# Altium PCB DM3370.PcbDoc (part 2 of 9) (continued)
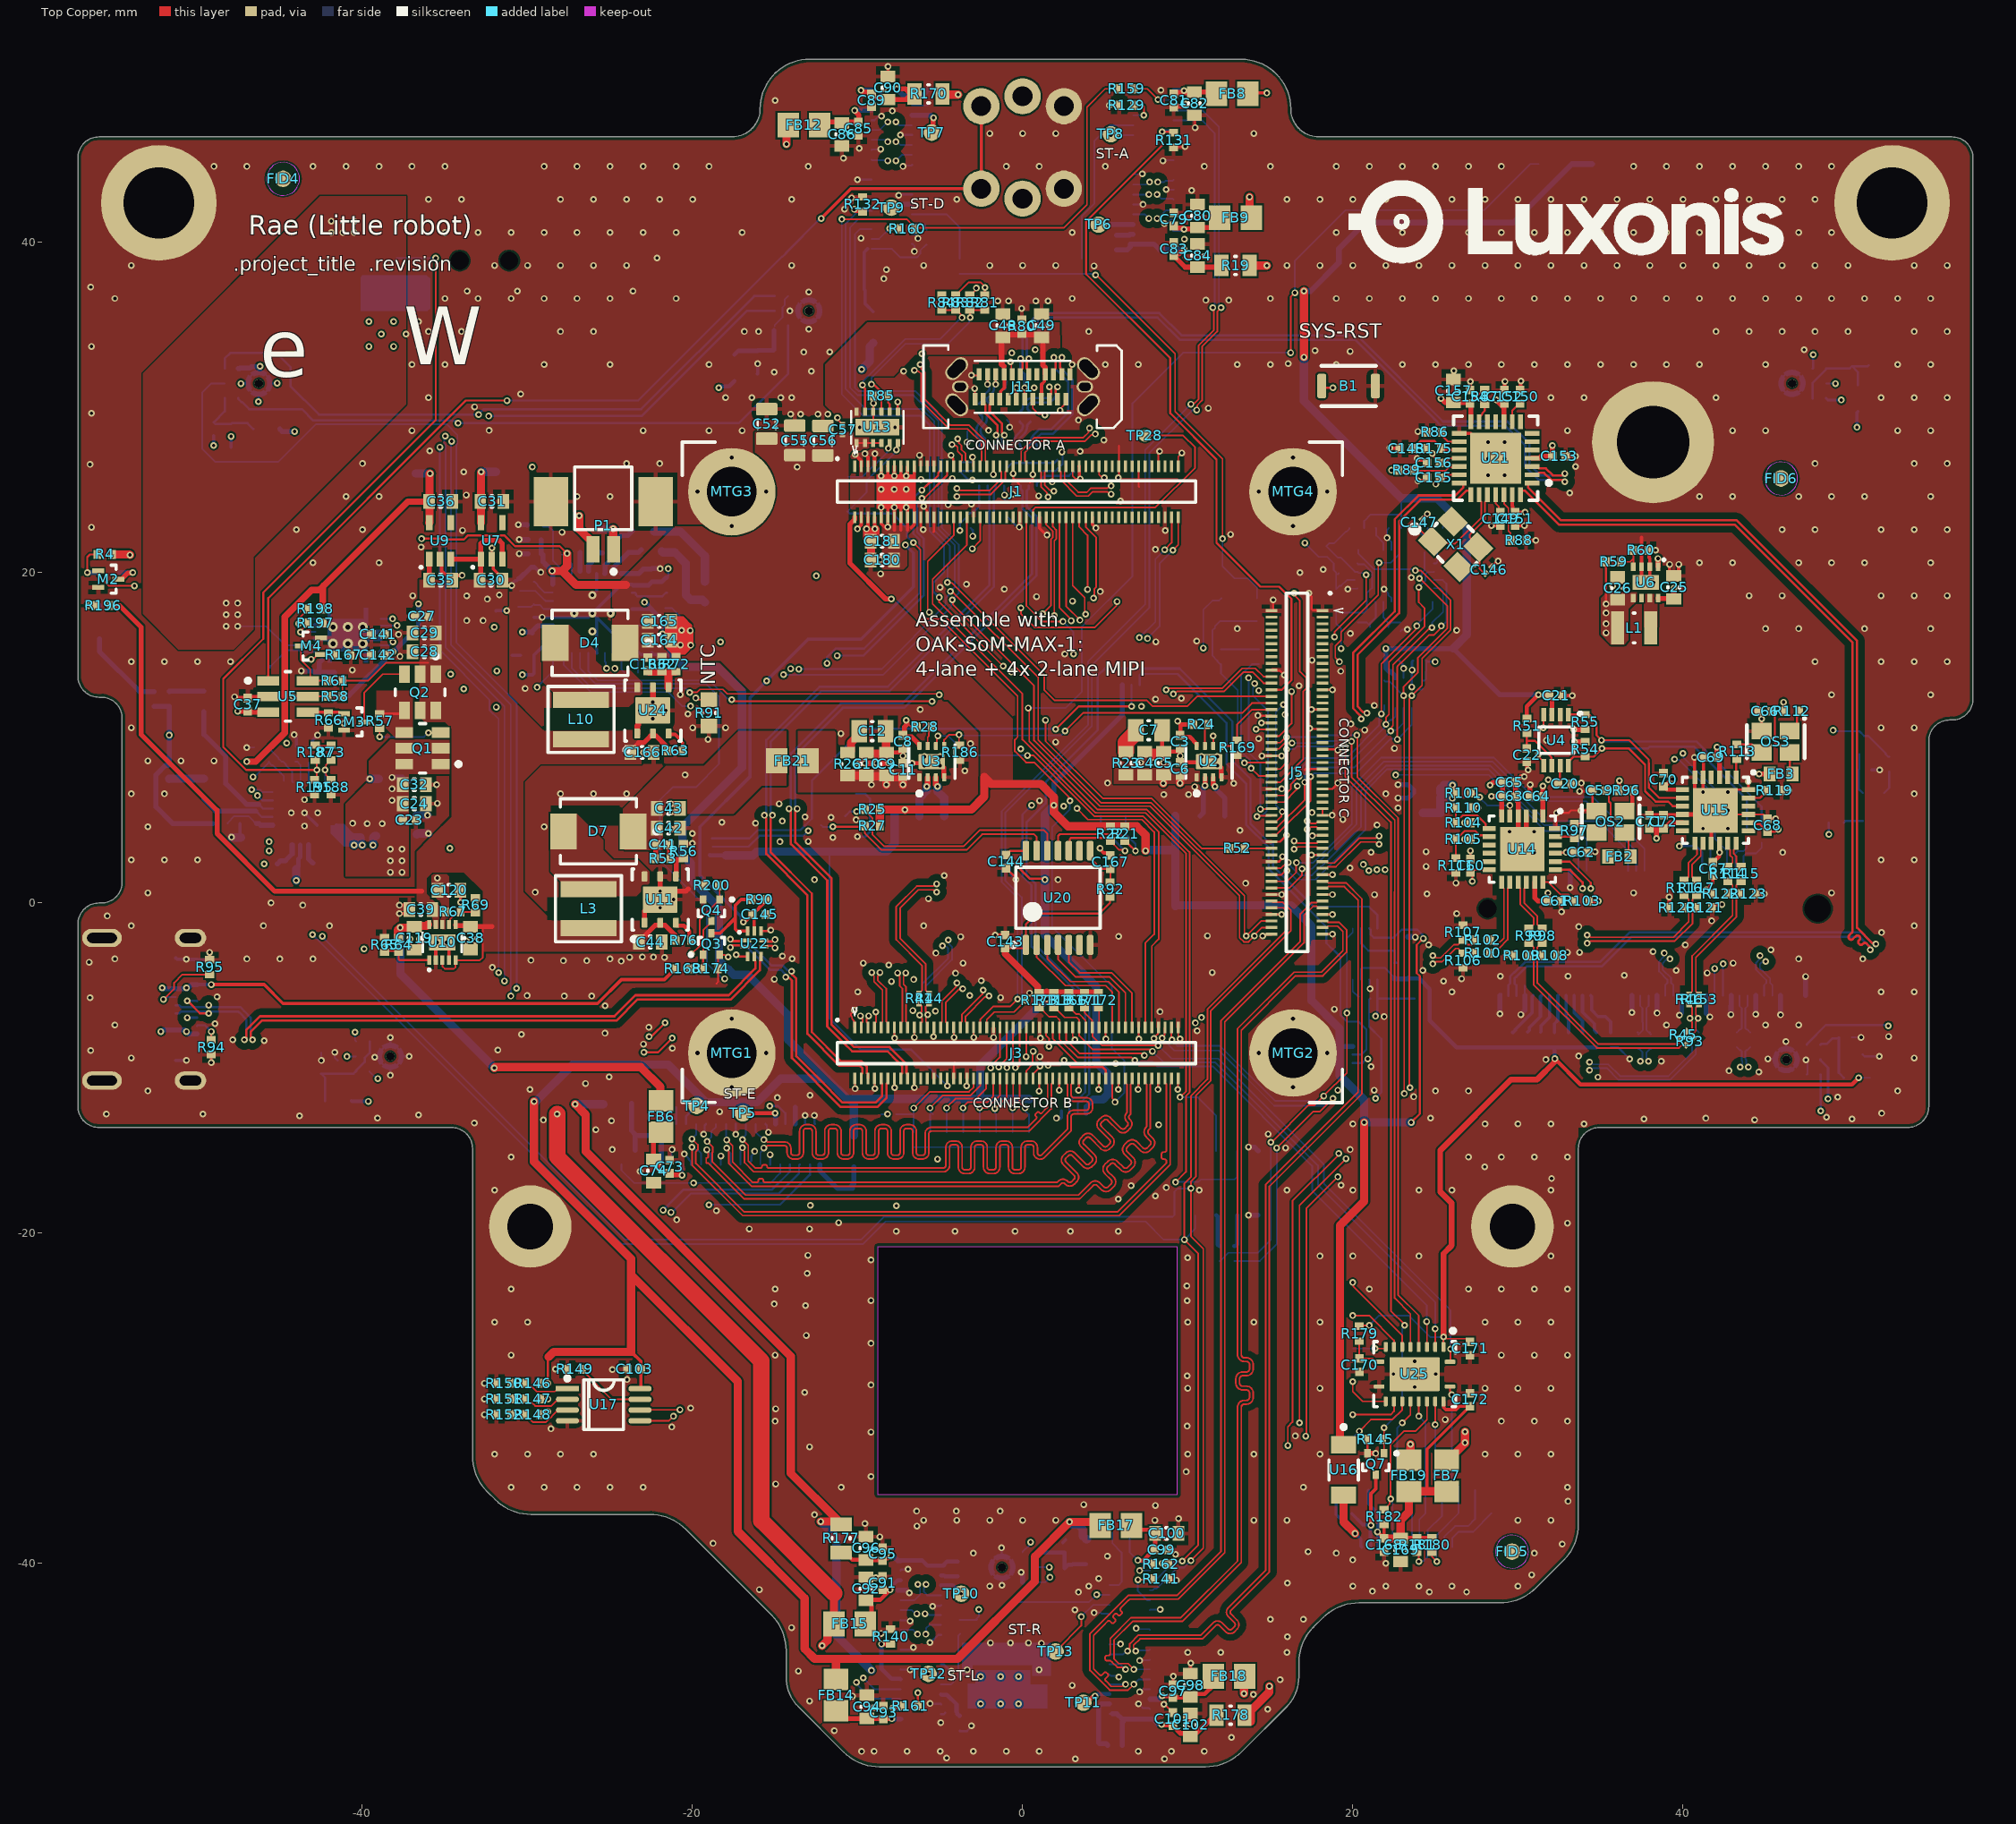
[diagram p0: Top Copper view]
## Footprints (in the part's own frame and the unit in brackets; to place one, negate y for a bottom-side part, rotate by r counter-clockwise, add the part's x,y. Pads: shape width x height; smd on the part's side, far side on the other; paste and mask are expansions set on the pad) (continued)
  Top Copper region: 0.647,-0.221 0.669,-0.252 0.69,-0.283 0.709,-0.315 0.727,-0.348 0.743,-0.382 0.757,-0.417 0.77,-0.452 0.781,-0.488 0.791,-0.524 0.799,-0.561 0.805,-0.598 0.809,-0.635 0.812,-0.673 0.813,-0.71 0.812,-0.747 0.809,-0.785 0.805,-0.822 0.799,-0.859 0.791,-0.896 0.781,-0.932 0.77,-0.968 0.757,-1.003 0.743,-1.038 0.727,-1.072 0.709,-1.105 0.69,-1.137 0.669,-1.168 0.647,-1.199 0.624,-1.228 0.412,-1.016 0.422,-1.002 0.434,-0.983 0.445,-0.965 0.456,-0.946 0.465,-0.926 0.474,-0.906 0.482,-0.886 0.489,-0.865 0.495,-0.844 0.5,-0.823 0.505,-0.801 0.508,-0.78 0.51,-0.758 0.512,-0.736 0.513,-0.714 0.512,-0.693 0.511,-0.671 0.509,-0.649 0.506,-0.628 0.502,-0.606 0.497,-0.585 0.491,-0.564 0.485,-0.543 0.477,-0.522 0.469,-0.502 0.46,-0.482 0.45,-0.463 0.439,-0.444 0.427,-0.426 0.412,-0.404 0.624,-0.192
  Top Copper region: 0.037,0.102 0.075,0.099 0.112,0.095 0.149,0.089 0.186,0.081 0.222,0.071 0.258,0.06 0.293,0.047 0.328,0.033 0.362,0.017 0.395,-0.001 0.427,-0.02 0.458,-0.041 0.489,-0.063 0.518,-0.086 0.306,-0.298 0.284,-0.283 0.266,-0.271 0.247,-0.26 0.228,-0.25 0.208,-0.241 0.188,-0.233 0.167,-0.225 0.146,-0.219 0.125,-0.213 0.104,-0.208 0.082,-0.204 0.061,-0.201 0.039,-0.199 0.017,-0.198 -0.004,-0.197 -0.026,-0.198 -0.048,-0.2 -0.07,-0.202 -0.091,-0.205 -0.113,-0.21 -0.134,-0.215 -0.155,-0.221 -0.176,-0.228 -0.196,-0.236 -0.216,-0.245 -0.236,-0.254 -0.255,-0.265 -0.273,-0.276 -0.292,-0.288 -0.306,-0.298 -0.518,-0.086 -0.489,-0.063 -0.458,-0.041 -0.427,-0.02 -0.395,-0.001 -0.362,0.017 -0.328,0.033 -0.293,0.047 -0.258,0.06 -0.222,0.071 -0.186,0.081 -0.149,0.089 -0.112,0.095 -0.075,0.099 -0.037,0.102 0,0.103
  Top Copper lines w0.125: 0,-1.372 cw(c0,-0.71) -0.663,-0.71 cw(c0,-0.71) 0,-0.048 cw(c0,-0.71) 0.663,-0.71 cw(c0,-0.71) 0,-1.372 ; 0,-1.372 0,-1.372 ; 0,-1.372 0,-1.372
  silkscreen extent -1.52,-1.94 2.1,1.94, body extent -1.33,-1.75 1.32,1.75, height 0.98
MCSJK-7U-24.00-12-30-60-B-30 [mm]
  rect 1.4x1.2 smd paste-10 mask+0.05: 1(-1.1,-0.85) 2(1.1,-0.85) 3(1.1,0.85) 4(-1.1,0.85)
  silkscreen extent -2.6,-1.3 1.7,1.3, body extent -1.6,-1.25 1.6,1.25, height 0.82
MDT275E [mm] "CONN FEMALE 67POS 0.020 GOLD"
  rect 1.2x2.75 smd: 0(-10.35,4.5) 0(10.35,4.5)
  round 1 hole 1.1 unplated: 0(-10,0)
  round 1 hole 1.6 unplated: 0(10,0)
  rect 0.3x1.55 smd: 1(-9.25,5.275) 2(-9,-2.275) 3(-8.75,5.275) 4(-8.5,-2.275) 5(-8.25,5.275) 6(-8,-2.275) 7(-7.75,5.275) 8(-7.5,-2.275) 9(-7.25,5.275) 10(-7,-2.275) 11(-6.75,5.275) 12(-6.5,-2.275) 13(-6.25,5.275) 14(-6,-2.275) 15(-5.75,5.275) 16(-5.5,-2.275) 17(-5.25,5.275) 18(-5,-2.275) 19(-4.75,5.275) 20(-4.5,-2.275) 21(-4.25,5.275) 22(-4,-2.275) 23(-3.75,5.275) 24(-3.5,-2.275) 25(-3.25,5.275) 26(-3,-2.275) 27(-2.75,5.275) 28(-2.5,-2.275) 29(-2.25,5.275) 30(-2,-2.275) 31(-1.75,5.275) 32(-1.5,-2.275) 33(-1.25,5.275) 34(-1,-2.275) 35(-0.75,5.275) 36(-0.5,-2.275) 37(-0.25,5.275) 38(0,-2.275) 39(0.25,5.275) 40(0.5,-2.275) 41(0.75,5.275) 42(1,-2.275) 43(1.25,5.275) 44(1.5,-2.275) 45(1.75,5.275) 46(2,-2.275) 47(2.25,5.275) 48(2.5,-2.275) 49(2.75,5.275) 50(3,-2.275) 51(3.25,5.275) 52(3.5,-2.275) 53(3.75,5.275) 54(4,-2.275) 55(4.25,5.275) 56(4.5,-2.275) 57(4.75,5.275) 58(5,-2.275) 59(5.25,5.275) 60(5.5,-2.275) 61(5.75,5.275) 62(6,-2.275) 63(6.25,5.275) 64(6.5,-2.275) 65(6.75,5.275) 66(7,-2.275) 67(7.25,5.275) 68(7.5,-2.275) 69(7.75,5.275) 70(8,-2.275) 71(8.25,5.275) 72(8.5,-2.275) 73(8.75,5.275) 74(9,-2.275) 75(9.25,5.275)
  silkscreen extent -11,-28.25 11,6.5, body extent -11,-28.2 11,5.7, height 3.25
MOLX-53261-0271_V [mm] "Header, 2-Leads, Pitch 1.25mm"
  rect 0.8x1.6 smd: 1(-0.625,1.45) 2(0.625,1.45)
  rect 2.1x3 smd: MP1(-3.175,-1.45) MP2(3.175,-1.45)
  silkscreen extent -1.72,-3.55 1.73,2.92, body extent -3.82,-3.55 3.83,1.65, height 3.41
NGG0006A_V [mm] "SON, 6-Leads, Body 3x3 mm, Pitch 0.95mm, Full Paste, NSC Recommended"
  rrect29% 0.6x0.35 smd paste-0.175 mask+0.051: 1(-1.4,0.95) 2(-1.4,0) 3(-1.4,-0.95) 4(1.4,-0.95) 5(1.4,0) 6(1.4,0.95)
  rrect6% 1.6x2.1 smd paste-0.8 mask+0.051: 7(0,0)
  silkscreen extent -2.52,-1.7 1.85,1.72, body extent -1.55,-1.55 1.55,1.55, height 0.8
PI6CG33201CZDIEX [mm] "24-QFN (4x4)"
  rect 0.8x0.3 smd paste-0.025 mask+0.05: 1(-2,1.25) 2(-2,0.75) 3(-2,0.25) 4(-2,-0.25) 5(-2,-0.75) 6(-2,-1.25) 13(2,-1.25) 14(2,-0.75) 15(2,-0.25) 16(2,0.25) 17(2,0.75) 18(2,1.25)
  rect 0.3x0.8 smd paste-0.025 mask+0.05: 7(-1.25,-2) 8(-0.75,-2) 9(-0.25,-2) 10(0.25,-2) 11(0.75,-2) 12(1.25,-2) 19(1.25,2) 20(0.75,2) 21(0.25,2) 22(-0.25,2) 23(-0.75,2) 24(-1.25,2)
  rect 2.7x2.7 smd paste-3 mask+0.05: 25(0,0)
  silkscreen extent -2.4,-2 2,2.4, body extent -2,-2 2,2, height 1
QFN50P500X500X80_HS-33N [mm] "QFN-32, 32-Leads, Body 5,00x5,00mm, Pitch 0,50mm, Thermal Pad 3,10x3,10mm, IPC Medium Density"
  rrect50% 0.6x0.25 smd paste+0 mask+0.05: 1(-2.4,1.75) 2(-2.4,1.25) 3(-2.4,0.75) 4(-2.4,0.25) 5(-2.4,-0.25) 6(-2.4,-0.75) 7(-2.4,-1.25) 8(-2.4,-1.75) 17(2.4,-1.75) 18(2.4,-1.25) 19(2.4,-0.75) 20(2.4,-0.25) 21(2.4,0.25) 22(2.4,0.75) 23(2.4,1.25) 24(2.4,1.75)
  rrect50% 0.25x0.6 smd paste+0 mask+0.05: 9(-1.75,-2.4) 10(-1.25,-2.4) 11(-0.75,-2.4) 12(-0.25,-2.4) 13(0.25,-2.4) 14(0.75,-2.4) 15(1.25,-2.4) 16(1.75,-2.4) 25(1.75,2.4) 26(1.25,2.4) 27(0.75,2.4) 28(0.25,2.4) 29(-0.25,2.4) 30(-0.75,2.4) 31(-1.25,2.4) 32(-1.75,2.4)
  rect 3.1x3.1 smd paste-10 mask+0.05: 33(0,0)
  silkscreen extent -3.5,-2.73 2.73,2.72, body extent -2.63,-2.63 2.63,2.63, height 0.8
RE1C002UNTCL [mm] "ROHM SOT-416FL"
  rect 0.3x0.71 smd: 1(-0.5,-0.61) 2(0.5,-0.61) 3(0,0.61)
  silkscreen extent -0.85,0.18 0.85,0.48, body extent -0.8,-0.8 0.8,0.8, height 0.75
RESC0201(0603)_L [mm] "Chip Resistor, Body 0.6x0.3mm, IPC High Density"
  rect 0.35x0.35 smd: 1(-0.3,0) 2(0.3,0)
  body extent -0.31,-0.16 0.31,0.16, height 0.3
RESC0402(1005)_L [mm] "Chip Resistor, Body 1.0x0.5mm, IPC High Density"
  rect 0.45x0.55 smd: 1(-0.45,0) 2(0.45,0)
  body extent -0.52,-0.27 0.53,0.28, height 0.4
RESC0603(1608)_L [mm] "Chip Resistor, Body 1.6x0.8mm, IPC High Density"
  rect 0.7x0.9 smd: 1(-0.7,0) 2(0.7,0)
  silkscreen extent -0.05,-0.35 0.05,0.35, body extent -0.85,-0.47 0.85,0.47, height 0.6
RESC0603(1608)_N [mm] "Chip Resistor, Body 1.6x0.8mm, IPC Medium Density"
  rect 0.9x1 smd: 1(-0.8,0) 2(0.8,0)
  silkscreen extent -0.05,-0.4 0.05,0.4, body extent -0.85,-0.47 0.85,0.47, height 0.6
RESC0805(2012)_L [mm] "Chip Resistor, Body 2.0x1.3mm, IPC High Density"
  rect 0.85x1.3 smd: 1(-0.85,0) 2(0.85,0)
  silkscreen extent -0.05,-0.55 0.05,0.55, body extent -1.1,-0.67 1.1,0.68, height 0.7
RESC0805(2012)_M [mm] "Chip Resistor, Body 2.0x1.3mm, IPC Low Density"
  rect 1.25x1.5 smd: 1(-1.05,0) 2(1.05,0)
  silkscreen extent -0.05,-0.65 0.05,0.65, body extent -1.1,-0.67 1.1,0.67, height 0.7
SI52142-A01AGM [mm] "24-QFN (4x4)"
  rect 0.8x0.3 smd paste-0.025 mask+0.05: 1(-2,1.25) 2(-2,0.75) 3(-2,0.25) 4(-2,-0.25) 5(-2,-0.75) 6(-2,-1.25) 13(2,-1.25) 14(2,-0.75) 15(2,-0.25) 16(2,0.25) 17(2,0.75) 18(2,1.25)
  rect 0.3x0.8 smd paste-0.025 mask+0.05: 7(-1.25,-2) 8(-0.75,-2) 9(-0.25,-2) 10(0.25,-2) 11(0.75,-2) 12(1.25,-2) 19(1.25,2) 20(0.75,2) 21(0.25,2) 22(-0.25,2) 23(-0.75,2) 24(-1.25,2)
  rect 2.7x2.7 smd paste-3 mask+0.05: 25(0,0)
  silkscreen extent -2.4,-2 2,2.4, body extent -2,-2 2,2, height 1
SML_D1xx8W [mm] "Rohm LED SML_D1 series - Chip Diode, 2-Leads, Body 1.60x0.80mm, IPC High Density"
  rect 0.8x0.8 smd: 1(-0.625,0) 2(0.625,0)
  silkscreen extent -1.3,-0.5 -1.3,0.5, body extent -0.8,-0.4 0.8,0.4, height 0.6
SOM_MAX_CONN_A_DF40HC-3.0-100DS-0.4V_minpad [mm] "3.0MM MATED HEIGHT CONN HDR 100POS 0.4MM SMD GOLD"
  rect 0.18x0.7 smd mask+0.05: 1(-9.55,18.536) 2(-9.55,15.456) 3(-9.15,18.536) 4(-9.15,15.456) 5(-8.75,18.536) 6(-8.75,15.456) 7(-8.35,18.536) 8(-8.35,15.456) 9(-7.95,18.536) 10(-7.95,15.456) 11(-7.55,18.536) 12(-7.55,15.456) 13(-7.15,18.536) 14(-7.15,15.456) 15(-6.75,18.536) 16(-6.75,15.456) 17(-6.35,18.536) 18(-6.35,15.456) 19(-5.95,18.536) 20(-5.95,15.456) 21(-5.55,18.536) 22(-5.55,15.456) 23(-5.15,18.536) 24(-5.15,15.456) 25(-4.75,18.536) 26(-4.75,15.456) 27(-4.35,18.536) 28(-4.35,15.456) 29(-3.95,18.536) 30(-3.95,15.456) 31(-3.55,18.536) 32(-3.55,15.456) 33(-3.15,18.536) 34(-3.15,15.456) 35(-2.75,18.536) 36(-2.75,15.456) 37(-2.35,18.536) 38(-2.35,15.456) 39(-1.95,18.536) 40(-1.95,15.456) 41(-1.55,18.536) 42(-1.55,15.456) 43(-1.15,18.536) 44(-1.15,15.456) 45(-0.75,18.536) 46(-0.75,15.456) 47(-0.35,18.536) 48(-0.35,15.456) 49(0.05,18.536) 50(0.05,15.456) 51(0.45,18.536) 52(0.45,15.456) 53(0.85,18.536) 54(0.85,15.456) 55(1.25,18.536) 56(1.25,15.456) 57(1.65,18.536) 58(1.65,15.456) 59(2.05,18.536) 60(2.05,15.456) 61(2.45,18.536) 62(2.45,15.456) 63(2.85,18.536) 64(2.85,15.456) 65(3.25,18.536) 66(3.25,15.456) 67(3.65,18.536) 68(3.65,15.456) 69(4.05,18.536) 70(4.05,15.456) 71(4.45,18.536) 72(4.45,15.456) 73(4.85,18.536) 74(4.85,15.456) 75(5.25,18.536) 76(5.25,15.456) 77(5.65,18.536) 78(5.65,15.456) 79(6.05,18.536) 80(6.05,15.456) 81(6.45,18.536) 82(6.45,15.456) 83(6.85,18.536) 84(6.85,15.456) 85(7.25,18.536) 86(7.25,15.456) 87(7.65,18.536) 88(7.65,15.456) 89(8.05,18.536) 90(8.05,15.456) 91(8.45,18.536) 92(8.45,15.456) 93(8.85,18.536) 94(8.85,15.456) 95(9.25,18.536) 96(9.25,15.456) 97(9.65,18.536) 98(9.65,15.456) 99(10.05,18.536) 100(10.05,15.456)
  silkscreen extent -20,-20 20,20, body extent -20,-19.99 20,20.01, height 5.9
SOM_MAX_CONN_B_DF40HC-3.0-100DS-0.4V_minpad [mm] "3.0MM MATED HEIGHT CONN HDR 100POS 0.4MM SMD GOLD"
  rect 0.7x0.18 smd mask+0.05: 1(-1.54,-9.8) 2(1.54,-9.8) 3(-1.54,-9.4) 4(1.54,-9.4) 5(-1.54,-9) 6(1.54,-9) 7(-1.54,-8.6) 8(1.54,-8.6) 9(-1.54,-8.2) 10(1.54,-8.2) 11(-1.54,-7.8) 12(1.54,-7.8) 13(-1.54,-7.4) 14(1.54,-7.4) 15(-1.54,-7) 16(1.54,-7) 17(-1.54,-6.6) 18(1.54,-6.6) 19(-1.54,-6.2) 20(1.54,-6.2) 21(-1.54,-5.8) 22(1.54,-5.8) 23(-1.54,-5.4) 24(1.54,-5.4) 25(-1.54,-5) 26(1.54,-5) 27(-1.54,-4.6) 28(1.54,-4.6) 29(-1.54,-4.2) 30(1.54,-4.2) 31(-1.54,-3.8) 32(1.54,-3.8) 33(-1.54,-3.4) 34(1.54,-3.4) 35(-1.54,-3) 36(1.54,-3) 37(-1.54,-2.6) 38(1.54,-2.6) 39(-1.54,-2.2) 40(1.54,-2.2) 41(-1.54,-1.8) 42(1.54,-1.8) 43(-1.54,-1.4) 44(1.54,-1.4) 45(-1.54,-1) 46(1.54,-1) 47(-1.54,-0.6) 48(1.54,-0.6) 49(-1.54,-0.2) 50(1.54,-0.2) 51(-1.54,0.2) 52(1.54,0.2) 53(-1.54,0.6) 54(1.54,0.6) 55(-1.54,1) 56(1.54,1) 57(-1.54,1.4) 58(1.54,1.4) 59(-1.54,1.8) 60(1.54,1.8) 61(-1.54,2.2) 62(1.54,2.2) 63(-1.54,2.6) 64(1.54,2.6) 65(-1.54,3) 66(1.54,3) 67(-1.54,3.4) 68(1.54,3.4) 69(-1.54,3.8) 70(1.54,3.8) 71(-1.54,4.2) 72(1.54,4.2) 73(-1.54,4.6) 74(1.54,4.6) 75(-1.54,5) 76(1.54,5) 77(-1.54,5.4) 78(1.54,5.4) 79(-1.54,5.8) 80(1.54,5.8) 81(-1.54,6.2) 82(1.54,6.2) 83(-1.54,6.6) 84(1.54,6.6) 85(-1.54,7) 86(1.54,7) 87(-1.54,7.4) 88(1.54,7.4) 89(-1.54,7.8) 90(1.54,7.8) 91(-1.54,8.2) 92(1.54,8.2) 93(-1.54,8.6) 94(1.54,8.6) 95(-1.54,9) 96(1.54,9) 97(-1.54,9.4) 98(1.54,9.4) 99(-1.54,9.8) 100(1.54,9.8)
  silkscreen extent -2.75,-10.88 0.65,10.85, body extent -1.69,-11.29 1.69,11.31, height 2.85
SOM_MAX_CONN_C_DF40HC-3.0-100DS-0.4V_minpad [mm] "3.0MM MATED HEIGHT CONN HDR 100POS 0.4MM SMD GOLD"
  rect 0.7x0.18 smd mask+0.05: 1(-1.54,-9.8) 2(1.54,-9.8) 3(-1.54,-9.4) 4(1.54,-9.4) 5(-1.54,-9) 6(1.54,-9) 7(-1.54,-8.6) 8(1.54,-8.6) 9(-1.54,-8.2) 10(1.54,-8.2) 11(-1.54,-7.8) 12(1.54,-7.8) 13(-1.54,-7.4) 14(1.54,-7.4) 15(-1.54,-7) 16(1.54,-7) 17(-1.54,-6.6) 18(1.54,-6.6) 19(-1.54,-6.2) 20(1.54,-6.2) 21(-1.54,-5.8) 22(1.54,-5.8) 23(-1.54,-5.4) 24(1.54,-5.4) 25(-1.54,-5) 26(1.54,-5) 27(-1.54,-4.6) 28(1.54,-4.6) 29(-1.54,-4.2) 30(1.54,-4.2) 31(-1.54,-3.8) 32(1.54,-3.8) 33(-1.54,-3.4) 34(1.54,-3.4) 35(-1.54,-3) 36(1.54,-3) 37(-1.54,-2.6) 38(1.54,-2.6) 39(-1.54,-2.2) 40(1.54,-2.2) 41(-1.54,-1.8) 42(1.54,-1.8) 43(-1.54,-1.4) 44(1.54,-1.4) 45(-1.54,-1) 46(1.54,-1) 47(-1.54,-0.6) 48(1.54,-0.6) 49(-1.54,-0.2) 50(1.54,-0.2) 51(-1.54,0.2) 52(1.54,0.2) 53(-1.54,0.6) 54(1.54,0.6) 55(-1.54,1) 56(1.54,1) 57(-1.54,1.4) 58(1.54,1.4) 59(-1.54,1.8) 60(1.54,1.8) 61(-1.54,2.2) 62(1.54,2.2) 63(-1.54,2.6) 64(1.54,2.6) 65(-1.54,3) 66(1.54,3) 67(-1.54,3.4) 68(1.54,3.4) 69(-1.54,3.8) 70(1.54,3.8) 71(-1.54,4.2) 72(1.54,4.2) 73(-1.54,4.6) 74(1.54,4.6) 75(-1.54,5) 76(1.54,5) 77(-1.54,5.4) 78(1.54,5.4) 79(-1.54,5.8) 80(1.54,5.8) 81(-1.54,6.2) 82(1.54,6.2) 83(-1.54,6.6) 84(1.54,6.6) 85(-1.54,7) 86(1.54,7) 87(-1.54,7.4) 88(1.54,7.4) 89(-1.54,7.8) 90(1.54,7.8) 91(-1.54,8.2) 92(1.54,8.2) 93(-1.54,8.6) 94(1.54,8.6) 95(-1.54,9) 96(1.54,9) 97(-1.54,9.4) 98(1.54,9.4) 99(-1.54,9.8) 100(1.54,9.8)
  silkscreen extent -2.75,-10.88 0.65,10.85, body extent -1.69,-11.29 1.69,11.31, height 2.85
SON_1PDSQR_TEX [mil]
  rect 22x10 smd paste+0 mask+0: 1(-42.5,31.5) 2(-42.5,15.75) 3(-42.5,0) 4(-42.5,-15.75) 5(-42.5,-31.5) 6(42.5,-31.5) 7(42.5,-15.75) 8(42.5,0) 9(42.5,15.75) 10(42.5,31.5)
  rect 39x63 smd paste+0 mask+0: 11(0,0)
  silkscreen extent -68,-46 23,46, body extent -39,-39 39,39, height 31
TL3780AF240QG-Footprint-1 [mm]
  rrect50% 0.55x1.5 smd: 1(-1.625,0) 2(1.625,0)
  silkscreen extent -1.65,-1.22 1.65,1.22, body extent -1.75,-1 1.75,1, height 0.6
TLV62080DSG [mm] "WSON-8, 2.1mm x 2.1mm x 0.8mm"
  rect 0.5x0.28 smd mask+0.07: 1(-0.95,0.75) 2(-0.95,0.25) 3(-0.95,-0.25) 4(-0.95,-0.75) 5(0.95,-0.75) 6(0.95,-0.25) 7(0.95,0.25) 8(0.95,0.75)
  rect 0.9x1.6 smd mask+0.07: 9(0,0)
  silkscreen extent -1.4,1.07 -1.35,1.13, body extent -1.05,-1.05 1.05,1.05, height 0.8
TLV70018DCK [mm] "SC70-5 1.1mm"
  rect 0.4x0.9 smd paste-0.025 mask+0.05: 1(-0.65,-1.1) 2(0,-1.1) 3(0.65,-1.1) 4(0.65,1.1) 5(-0.65,1.1)
  silkscreen extent -1.17,-1.63 -1.12,-1.57, body extent -1.1,-1.2 1.1,1.2, height 1.1
TLV70028DCK [mm] "SC70-5 1.1mm"
  rect 0.4x0.9 smd paste-0.025 mask+0.05: 1(-0.65,-1.1) 2(0,-1.1) 3(0.65,-1.1) 4(0.65,1.1) 5(-0.65,1.1)
  silkscreen extent -1.17,-1.63 -1.12,-1.57, body extent -1.1,-1.2 1.1,1.2, height 1.1
TP075_150_NS [mm] "0.75mm dia pad, 1.5mm dia clearance, no silk screen"
  round 0.75 smd paste-2: 1(0,0)
TP100_200_NS [mm] "1mm dia pad, 2mm dia clearance, no silk screen"
  round 1 smd paste-2: 1(0,0)
TPS25821 [mm]
  rrect25% 0.5x0.25 smd: 1(-0.95,1.25) 2(-0.95,0.75) 3(-0.95,0.25) 4(-0.95,-0.25) 5(-0.95,-0.75) 6(-0.95,-1.25) 7(0.95,-1.25) 8(0.95,-0.75) 9(0.95,-0.25) 10(0.95,0.25) 11(0.95,0.75) 12(0.95,1.25)
  rect 1x2.65 smd paste-2: 13(0,0)
  round 0.35 hole 0.2: 13.1(0,1.075) 13.2(0,0) 13.3(0,-1.075)
  silkscreen extent -1.53,-1.59 1,1.59, body extent -1,-1.5 1,1.5, height 0.8
TSOP-6-MFG [mm]
  rect 1.06x0.65 smd: 1(-1.1,0.95) 2(-1.1,0) 3(-1.1,-0.95) 4(1.1,-0.95) 5(1.1,0) 6(1.1,0.95)
  silkscreen extent -2.3,-1.5 0.2,1.5, body extent -1.73,-1.6 1.73,1.6, height 0.25
TXS0102DCUR [mm] "TSSOP, 8-Leads, Body 2.00x2.30mm, Pitch 0.50mm"
  rect 0.8x0.3 smd mask+0.05: 1(-1.55,0.75) 2(-1.55,0.25) 3(-1.55,-0.25) 4(-1.55,-0.75) 5(1.55,-0.75) 6(1.55,-0.25) 7(1.55,0.25) 8(1.55,0.75)
  silkscreen extent -1.7,-1.05 0.8,1.55, body extent -1.55,-1.05 1.55,1.05, height 0.9
TXS0104EPWR [mm]
  rrect50% 1.2x0.4 smd mask+0.05: 1(-2.85,1.95) 2(-2.85,1.3) 3(-2.85,0.65) 4(-2.85,0) 5(-2.85,-0.65) 6(-2.85,-1.3) 7(-2.85,-1.95) 8(2.85,-1.95) 9(2.85,-1.3) 10(2.85,-0.65) 11(2.85,0) 12(2.85,0.65) 13(2.85,1.3) 14(2.85,1.95)
  silkscreen extent -2.97,-2.55 1.85,2.82, body extent -3.2,-2.55 3.2,2.55, height 1.2
TXS0108ERGYR [mm] "20-VQFN (3.5x4.5)"
  rrect50% 0.25x0.65 smd mask+0.07: 1(-0.75,2.15) 10(-0.75,-2.15) 11(0.75,-2.15) 20(0.75,2.15)
  rrect50% 0.6x0.24 smd mask+0.07: 2(-1.65,1.75) 3(-1.65,1.25) 4(-1.65,0.75) 5(-1.65,0.25) 6(-1.65,-0.25) 7(-1.65,-0.75) 8(-1.65,-1.25) 9(-1.65,-1.75) 12(1.65,-1.75) 13(1.65,-1.25) 14(1.65,-0.75) 15(1.65,-0.25) 16(1.65,0.25) 17(1.65,0.75) 18(1.65,1.25) 19(1.65,1.75)
  oval 0.406x0.406 hole 0.203: 21(-0.775,0) 21(0,-1.275) 21(0,1.275) 21(0.775,0)
  rrect5% 2.05x3.05 smd paste-3 mask+0.07: 21(0,0)
  silkscreen extent -2.75,-2.47 1.97,2.48, body extent -1.83,-2.33 1.83,2.33, height 1
XDCR_BMI270 [mm]
  rect 0.475x0.25 smd: 1(-1.162,0.75) 2(-1.162,0.25) 3(-1.162,-0.25) 4(-1.162,-0.75) 8(1.162,-0.75) 9(1.162,-0.25) 10(1.162,0.25) 11(1.162,0.75)
  rect 0.25x0.475 smd: 5(-0.5,-0.913) 6(0,-0.913) 7(0.5,-0.913) 12(0.5,0.913) 13(0,0.913) 14(-0.5,0.913)
  silkscreen extent -2.07,-1.25 1.5,1.25, body extent -1.5,-1.25 1.5,1.25, height 0.87
XFL4030-472MEC-MFG [mm]
  rect 0.98x3.4 smd paste+0 mask+0: 1(-1.185,0) 2(1.185,0)
  silkscreen extent -2,-2 2,2, body extent -2.15,-2.15 2.15,2.15, height 3.1

## Part data
B1 B3: library part CMP-011-00023-1, "Keypad Switch, 1 Switches, SPST, Momentary-tactile, 0.05A, 12VDC, 2.35N, Solder Terminal, Surface Mount-straight", Manufacturer 1=E-Switch, Manufacturer Part Number 1=TL3780AF240QG
B2: library part CMP-002-00091-3, "Keypad Switch, 1 Switches, SPST, Momentary-tactile, 0.1A, 32VDC, 2.5N, 4 PCB Hole Cnt, Solder Terminal, Through Hole-straight", Contact Current(DC)-Max=100mA, Contact DC Max Rating R Load=.1A@32VDC, Contact Voltage(DC)-Max=32V, Manufacturer 1=C&K, Manufacturer Series=D6C, Max Operating Temperature=85°C, Min Operating Temperature=-20°C, Operating Force-Max=2.5N, Actuator Type="SQUARE TYPE", Body Height=5.8mm, Body Length or Diameter=12mm, Circuit Configuration=1X1, Connector Type=Receptacle, Contact Bounce Time-Max=10ms, Electrical Life=250000Cycles, Manufacturer Part Number 1=D6C90F2LFS, Mount="Through Hole", Number of Switches=1, Packaging=Bulk, REACH SVHC="No SVHC", RoHS Compliant=No, Switch Action=MOMENTARY-TACTILE, Switch Function=SPST, Switch Type=Keypad, Termination=Solder
C1 C2 C3 C6 C8 C11 C19 C20 C21 C23 C27 C37 C59 C60 C61 C62 C63 C64 C66 C67 C68 C69 C70 C71 C73 C75 C77 C79 C81 C83 C85 C87 C89 C91 C93 C95 C97 C99 C101 C103 C128 C131 C133 C134 C135 C136 C137 C143 C144 C145 C148 C149 C150 C151 C152 C153 C154 C155 C156 C158 C159 C168 C171 C172 C174 C176 C177: library part GRM155R71A104JA01D, "CAP CER 0.1UF 10V X7R 0402 5%", Capacitance=100nF, Case Code (Imperial)=0402, Case Code (Metric)=1005, Dielectric=X7R, Manufacturer 1=Murata, Max Operating Temperature=125°C, Min Operating Temperature=-55°C, Package Quantity=10000, Supplier Part Number 1=490-10777-1-ND, Tolerance=5%, Voltage Rating=10V, Case/Package=0402, ComponentLink1Description=https://datasheet.ciiva.com/5411/product-5411135.pdf?src-supplier=Mouser, ComponentLink1URL=https://datasheet.ciiva.com/5411/product-5411135.pdf?src-supplier=Mouser, ComponentLink2Description=https://datasheet.ciiva.com/11618/c02e-11618821.pdf?src-supplier=Avnet, ComponentLink2URL=https://datasheet.ciiva.com/11618/c02e-11618821.pdf?src-supplier=Avnet, Depth=0.5mm, Height=0.5mm, Lead Free="Lead Free", Length=1mm, Manufacturer Part Number 1=GRM155R71A104JA01D, Mount="Surface Mount", Packaging="Tape and Reel", Pricing 1="1=0.10000, 10=0.02500, 100=0.01130, 500=0.00806, 1000=0.00633, 2500=0.00575, 5000=0.00529 (USD)", Radiation Hardening=No, RoHS=Yes, Stock 1=1346709, Supplier 1=Digi-Key, Termination=SMD/SMT, Thickness=0.022inch, Voltage Rating (DC)=10V, Width=0.02inch
C4 C5 C9 C10 C24 C26 C28 C29 C32 C33 C34 C42 C164 C180: library part GRM188R61A226ME15D, "CAP CER 22UF 10V X5R 0603 20%", Capacitance=22uF, Case Code (Imperial)=0603, Case Code (Metric)=1608, Dielectric=X5R, Manufacturer 1=Murata, Max Operating Temperature=85°C, Min Operating Temperature=-55°C, Package Quantity=4000, Supplier Part Number 1=490-10476-1-ND, Tolerance=20%, Voltage Rating=10V, Case/Package=0603, ComponentLink1Description=https://datasheet.ciiva.com/46444/1769893-46444975.pdf?src-supplier=Element14, ComponentLink1URL=https://datasheet.ciiva.com/46444/1769893-46444975.pdf?src-supplier=Element14, Depth=0.8mm, Height=0.8mm, Lead Free="Lead Free", Length=1.6mm, Manufacturer Part Number 1=GRM188R61A226ME15D, Material=Ceramic, Mount="Surface Mount", Packaging="Tape and Reel", Pricing 1="1=0.31000, 10=0.21500, 100=0.12160, 500=0.08584, 1000=0.07512 (USD)", REACH SVHC="No SVHC", RoHS=Yes, Stock 1=984716, Supplier 1=Digi-Key, Termination=SMD/SMT, Thickness=0.039inch, Voltage Rating (DC)=10V, Weight=0.000222oz, Width=0.8mm
C7 C12: library part C0805C223M1RACAUTO, "CAP CER 22nF 100V X7R 0805", Capacitance=22nF, Capacitor Type=Ceramic, Manufacturer 1=KEMET, Max Operating Temperature=125°C, Min Operating Temperature=-55°C, Negative Tolerance=20%, Package Shape=Rectangular, Package Style=SMTMeter, Rated DC Voltage (URdc)=100V, Supplier Part Number 1=399-13000-1-ND, Temperature Characteristics Code=X7R, Category="Ceramic Capacitors", ComponentLink1Description=https://datasheet.ciiva.com:443/pdfs/VipMasterIC/IC/KEME/KEME-S-A0009891634/KEME-S-A0009891634-1.pdf?src-supplier=IHS+Markit, ComponentLink1URL=https://datasheet.ciiva.com:443/pdfs/VipMasterIC/IC/KEME/KEME-S-A0009891634/KEME-S-A0009891634-1.pdf?src-supplier=IHS+Markit, ComponentLink2Description=http://components.arrow.com/part/dataview/0323_00327945?src-supplier=Arrow+Europe, ComponentLink2URL=http://components.arrow.com/part/dataview/0323_00327945?src-supplier=Arrow+Europe, ComponentLink3Description=http://capacitoredge.kemet.com/capedge2/DataSheet/Datasheet-C0805C223M1RACAUTO.pdf?pn=C0805C223M1RACAUTO&src-supplier=Avnet, ComponentLink3URL=http://capacitoredge.kemet.com/capedge2/DataSheet/Datasheet-C0805C223M1RACAUTO.pdf?pn=C0805C223M1RACAUTO&src-supplier=Avnet, ComponentLink4Description=http://www.kemet.com/docfinder?Partnumber=C0805C223M1RACAUTO&src-supplier=Digi-Key, ComponentLink4URL=http://www.kemet.com/docfinder?Partnumber=C0805C223M1RACAUTO&src-supplier=Digi-Key, ComponentLink5Description=https://api.kemet.com/component-edge/download/datasheet/C0805C223M1RACAUTO.pdf?src-supplier=Digi-Key, ComponentLink5URL=https://api.kemet.com/component-edge/download/datasheet/C0805C223M1RACAUTO.pdf?src-supplier=Digi-Key, Dielectric Material=Ceramic, Height=0.9mm, JESD-609 Code=e3, Length=2mm, Manufacturer Part Number 1=C0805C223M1RACAUTO, Mount="Surface Mount", Multilayer=Yes, Number of Pins=2, Packaging="Tape and Reel", Positive Tolerance=20%, Pricing 1="1=0,33000, 10=0,22700, 50=0,15900, 100=0,13630, 500=0,10222, 1000=0,08632 (USD)", REACH SVHC=Yes, Reference Standard=AEC-Q200, RoHS=Yes, RoHS Compliant=Yes, Size Code=0805, Stock 1=7581, Supplier 1=Digi-Key, Terminal Finish=Nickel, Termination=Wraparound, Width=1.25mm
C13 C14 C17 C22 C138 C160 C167 C170: library part GRM155R61E105KA12D, "CAP CER 1UF 25V X5R 0402 10%", Capacitance=1uF, Case Code (Imperial)=0402, Case Code (Metric)=1005, Dielectric=X5R, Manufacturer 1=Murata, Max Operating Temperature=85°C, Min Operating Temperature=-55°C, Package Quantity=10000, Supplier Part Number 1=490-10017-1-ND, Tolerance=10%, Voltage=25V, Case/Package=0402, ComponentLink1Description=https://datasheet.ciiva.com/22732/1666664-22732122.pdf?src-supplier=Element14, ComponentLink1URL=https://datasheet.ciiva.com/22732/1666664-22732122.pdf?src-supplier=Element14, ComponentLink2Description=https://datasheet.ciiva.com/7719/1666664-7719006.pdf?src-supplier=Element14, ComponentLink2URL=https://datasheet.ciiva.com/7719/1666664-7719006.pdf?src-supplier=Element14, Depth=0.5mm, Height=0.5mm, Lead Free="Lead Free", Length=1mm, Manufacturer Part Number 1=GRM155R61E105KA12D, Material=Ceramic, Mount="Surface Mount", Packaging="Tape and Reel", Pricing 1="1=0.10000, 10=0.07100, 100=0.03350, 500=0.02352, 1000=0.01947, 2500=0.01812, 5000=0.01658 (USD)", REACH SVHC="No SVHC", RoHS=Yes, Stock 1=200653, Supplier 1=Digi-Key, Supplier 2=Arrow, Supplier 3=TTI, Supplier Part Number 2=GRM155R61E105KA12D, Supplier Part Number 3=GRM155R61E105KA12D, Termination=SMD/SMT, Thickness=0.022inch, Voltage Rating=25V, Voltage Rating (DC)=25V, Weight=0.000212oz, Width=0.5mm
C15 C16 C18: library part GRM21BR60J476ME15L, "CAP CER 47UF 6.3V X5R 0805", Capacitance=47uF, Case Code (Imperial)=0805, Case Code (Metric)=2012, Dielectric=X5R, Manufacturer 1=Murata, Max Operating Temperature=85°C, Min Operating Temperature=-55°C, Package Quantity=3000, Supplier Part Number 1=490-9960-1-ND, Tolerance=20%, Voltage=6.3V, Case/Package=0805, ComponentLink1Description=https://datasheet.ciiva.com/46444/1754700-46444997.pdf?src-supplier=Element14, ComponentLink1URL=https://datasheet.ciiva.com/46444/1754700-46444997.pdf?src-supplier=Element14, Depth=1.25mm, Height=1.25mm, Lead Free="Lead Free", Length=2mm, Manufacturer Part Number 1=GRM21BR60J476ME15L, Mount="Surface Mount", Packaging="Tape and Reel", Pricing 1="1=0.48000, 10=0.33900, 100=0.22360, 500=0.16560, 1000=0.14076 (USD)", REACH SVHC="No SVHC", RoHS=Yes, Stock 1=16165, Supplier 1=Digi-Key, Supplier 2=Newark, Supplier 3=Mouser, Supplier Part Number 2=40X5890, Supplier Part Number 3=81-GRM21BR60J476ME5L, Termination=SMD/SMT, Thickness=0.057inch, Voltage Rating=6.3V, Voltage Rating (DC)=6.3V, Weight=0.000335oz, Width=0.049inch
C25 C30 C31 C35 C36 C38 C39 C40 C43 C48 C49 C58 C74 C76 C78 C80 C82 C84 C86 C88 C90 C92 C94 C96 C98 C100 C102 C104 C106 C109 C110 C113 C114 C116 C117 C119 C120 C127 C130 C132 C140 C157 C162 C165 C169 C173 C175 C181: library part GRM188R61A106ME69D, "CAP CER 10UF 10V X5R 0603 20%", Capacitance=10uF, Case Code (Imperial)=0603, Case Code (Metric)=1608, Dielectric=X5R, Manufacturer 1=Murata, Max Operating Temperature=85°C, Min Operating Temperature=-55°C, Package Quantity=4000, Supplier Part Number 1=490-10475-1-ND, Tolerance=20%, Voltage Rating=10V, Case/Package=0603, ComponentLink1Description=http://www.mouser.com/ds/2/281/c02e-2905.pdf?src-supplier=Mouser, ComponentLink1URL=http://www.mouser.com/ds/2/281/c02e-2905.pdf?src-supplier=Mouser, ComponentLink2Description=http://components.arrow.com/part/dataview/0323_06119472?src-supplier=Arrow+Europe, ComponentLink2URL=http://components.arrow.com/part/dataview/0323_06119472?src-supplier=Arrow+Europe, ComponentLink3Description=http://www.farnell.com/datasheets/2048014.pdf?src-supplier=Farnell, ComponentLink3URL=http://www.farnell.com/datasheets/2048014.pdf?src-supplier=Farnell, ComponentLink4Description=http://www.farnell.com/datasheets/1872210.pdf?src-supplier=Farnell, ComponentLink4URL=http://www.farnell.com/datasheets/1872210.pdf?src-supplier=Farnell, ComponentLink5Description=http://search.murata.co.jp/Ceramy/image/img/A01X/G101/ENG/GRM188R61A106ME69-01.pdf?src-supplier=Digi-Key, ComponentLink5URL=http://search.murata.co.jp/Ceramy/image/img/A01X/G101/ENG/GRM188R61A106ME69-01.pdf?src-supplier=Digi-Key, ComponentLink6Description=http://www.farnell.com/datasheets/1872210.pdf?src-supplier=Newark, ComponentLink6URL=http://www.farnell.com/datasheets/1872210.pdf?src-supplier=Newark, ComponentLink7Description=http://www.farnell.com/datasheets/2048014.pdf?src-supplier=Element14, ComponentLink7URL=http://www.farnell.com/datasheets/2048014.pdf?src-supplier=Element14, ComponentLink8Description=http://www.farnell.com/datasheets/2048014.pdf?src-supplier=Newark, ComponentLink8URL=http://www.farnell.com/datasheets/2048014.pdf?src-supplier=Newark, Depth=0.8mm, Height=0.8mm, Lead Free="Lead Free", Length=1.6mm, Manufacturer Part Number 1=GRM188R61A106ME69D, Material=Ceramic, Mount="Surface Mount", Packaging="Tape and Reel", Pricing 1="1=0.21000, 10=0.14100, 100=0.07130, 500=0.04876, 1000=0.04313 (USD)", REACH SVHC=Unknown, RoHS=Yes, Stock 1=2873098, Supplier 1=Digi-Key, Termination=SMD/SMT, Thickness=0.035inch, Voltage Rating (DC)=10V, Weight=0.000222oz, Width=0.8mm
C41 C163: library part CMP-004-000029-1, "CAP CER 390PF 50V C0G 0402", Capacitance=390pF, Capacitor Type=Ceramic, Manufacturer 1=Murata, Max Operating Temperature=125°C, Min Operating Temperature=-55°C, Negative Tolerance=5%, Package Shape=Rectangular, Package Style=SMTMeter, Rated DC Voltage (URdc)=50V, Temperature Characteristics Code=C0G, Category="Ceramic Capacitors", ComponentLink1Description=https://datasheet.ciiva.com:443/pdfs/VipMasterIC/IC/MURE/MURE-S-A0004280628/MURE-S-A0004346975-1.pdf?src-supplier=IHS+Markit, ComponentLink1URL=https://datasheet.ciiva.com:443/pdfs/VipMasterIC/IC/MURE/MURE-S-A0004280628/MURE-S-A0004346975-1.pdf?src-supplier=IHS+Markit, ComponentLink2Description=https://datasheet.ciiva.com/6270/product-6270768.pdf?src-supplier=Digi-Key, ComponentLink2URL=https://datasheet.ciiva.com/6270/product-6270768.pdf?src-supplier=Digi-Key, ComponentLink3Description=https://datasheet.ciiva.com/6270/partnumbering-e-01-6270809.pdf?src-supplier=Digi-Key, ComponentLink3URL=https://datasheet.ciiva.com/6270/partnumbering-e-01-6270809.pdf?src-supplier=Digi-Key, Design Item ID=GRM1555C1H391JA01J, Dielectric Material=Ceramic, Height=0.5mm, JESD-609 Code=e3, Length=1mm, Manufacturer Part Number 1=GRM1555C1H391JA01J, Mount="Surface Mount", Multilayer=Yes, Number of Pins=2, Packaging="Tape and Reel", Positive Tolerance=5%, Pricing 1="1=0,10000, 10=0,07100, 50=0,03900, 100=0,03180, 500=0,02272, 1000=0,01785, 2500=0,01622, 5000=0,01493 (USD)", REACH SVHC=Yes, RoHS=Yes, RoHS Compliant=Yes, Size Code=0402, Source=LuxonisMaster.SchLib, Stock 1=73655, Terminal Finish=Nickel, Termination=Wraparound, Width=0.5mm
C44 C166: library part CMP-004-000000-1, "CAP CER 0.022UF 50V X7R 0603", Capacitance=22nF, Case Code (Imperial)=0603, Case Code (Metric)=1608, Dielectric=X7R, Dielectric Material=Ceramic, Manufacturer 1=KEMET, Max Operating Temperature=125°C, Min Operating Temperature=-55°C, Package Quantity=4000, Tolerance=10%, Voltage=50V, Case/Package=0603, ComponentLink1Description=https://datasheet.ciiva.com/7823/1776091-7823698.pdf?src-supplier=Element14, ComponentLink1URL=https://datasheet.ciiva.com/7823/1776091-7823698.pdf?src-supplier=Element14, ComponentLink2Description=https://datasheet.ciiva.com/7824/kem-c1002-x7r-smd-7824021.pdf?src-supplier=Element14, ComponentLink2URL=https://datasheet.ciiva.com/7824/kem-c1002-x7r-smd-7824021.pdf?src-supplier=Element14, Contact Plating=Tin,Matte, Depth=0.8mm, Design Item ID=C0603C223K5RACTU, Dissipation Factor=2.5%, Height=0.8mm, Lead Pitch=0.7mm, Length=1.6mm, Manufacturer Part Number 1=C0603C223K5RACTU, Mount="Surface Mount,PCB", Number of Pins=2, Packaging="Tape and Reel", Pricing 1="1=0.10000, 10=0.06400, 100=0.02850, 500=0.02036, 1000=0.01600 (USD)", Radiation Hardening=No, REACH SVHC="No SVHC", RoHS=Yes, Source=LuxonisMaster.SchLib, Stock 1=77845, Termination=SMD/SMT, Thickness=0.034inch, Voltage Rating=50V, Voltage Rating (DC)=50V, Width=0.8mm